# Altium PCB test_stand_2 — копия.PcbDoc (continued)
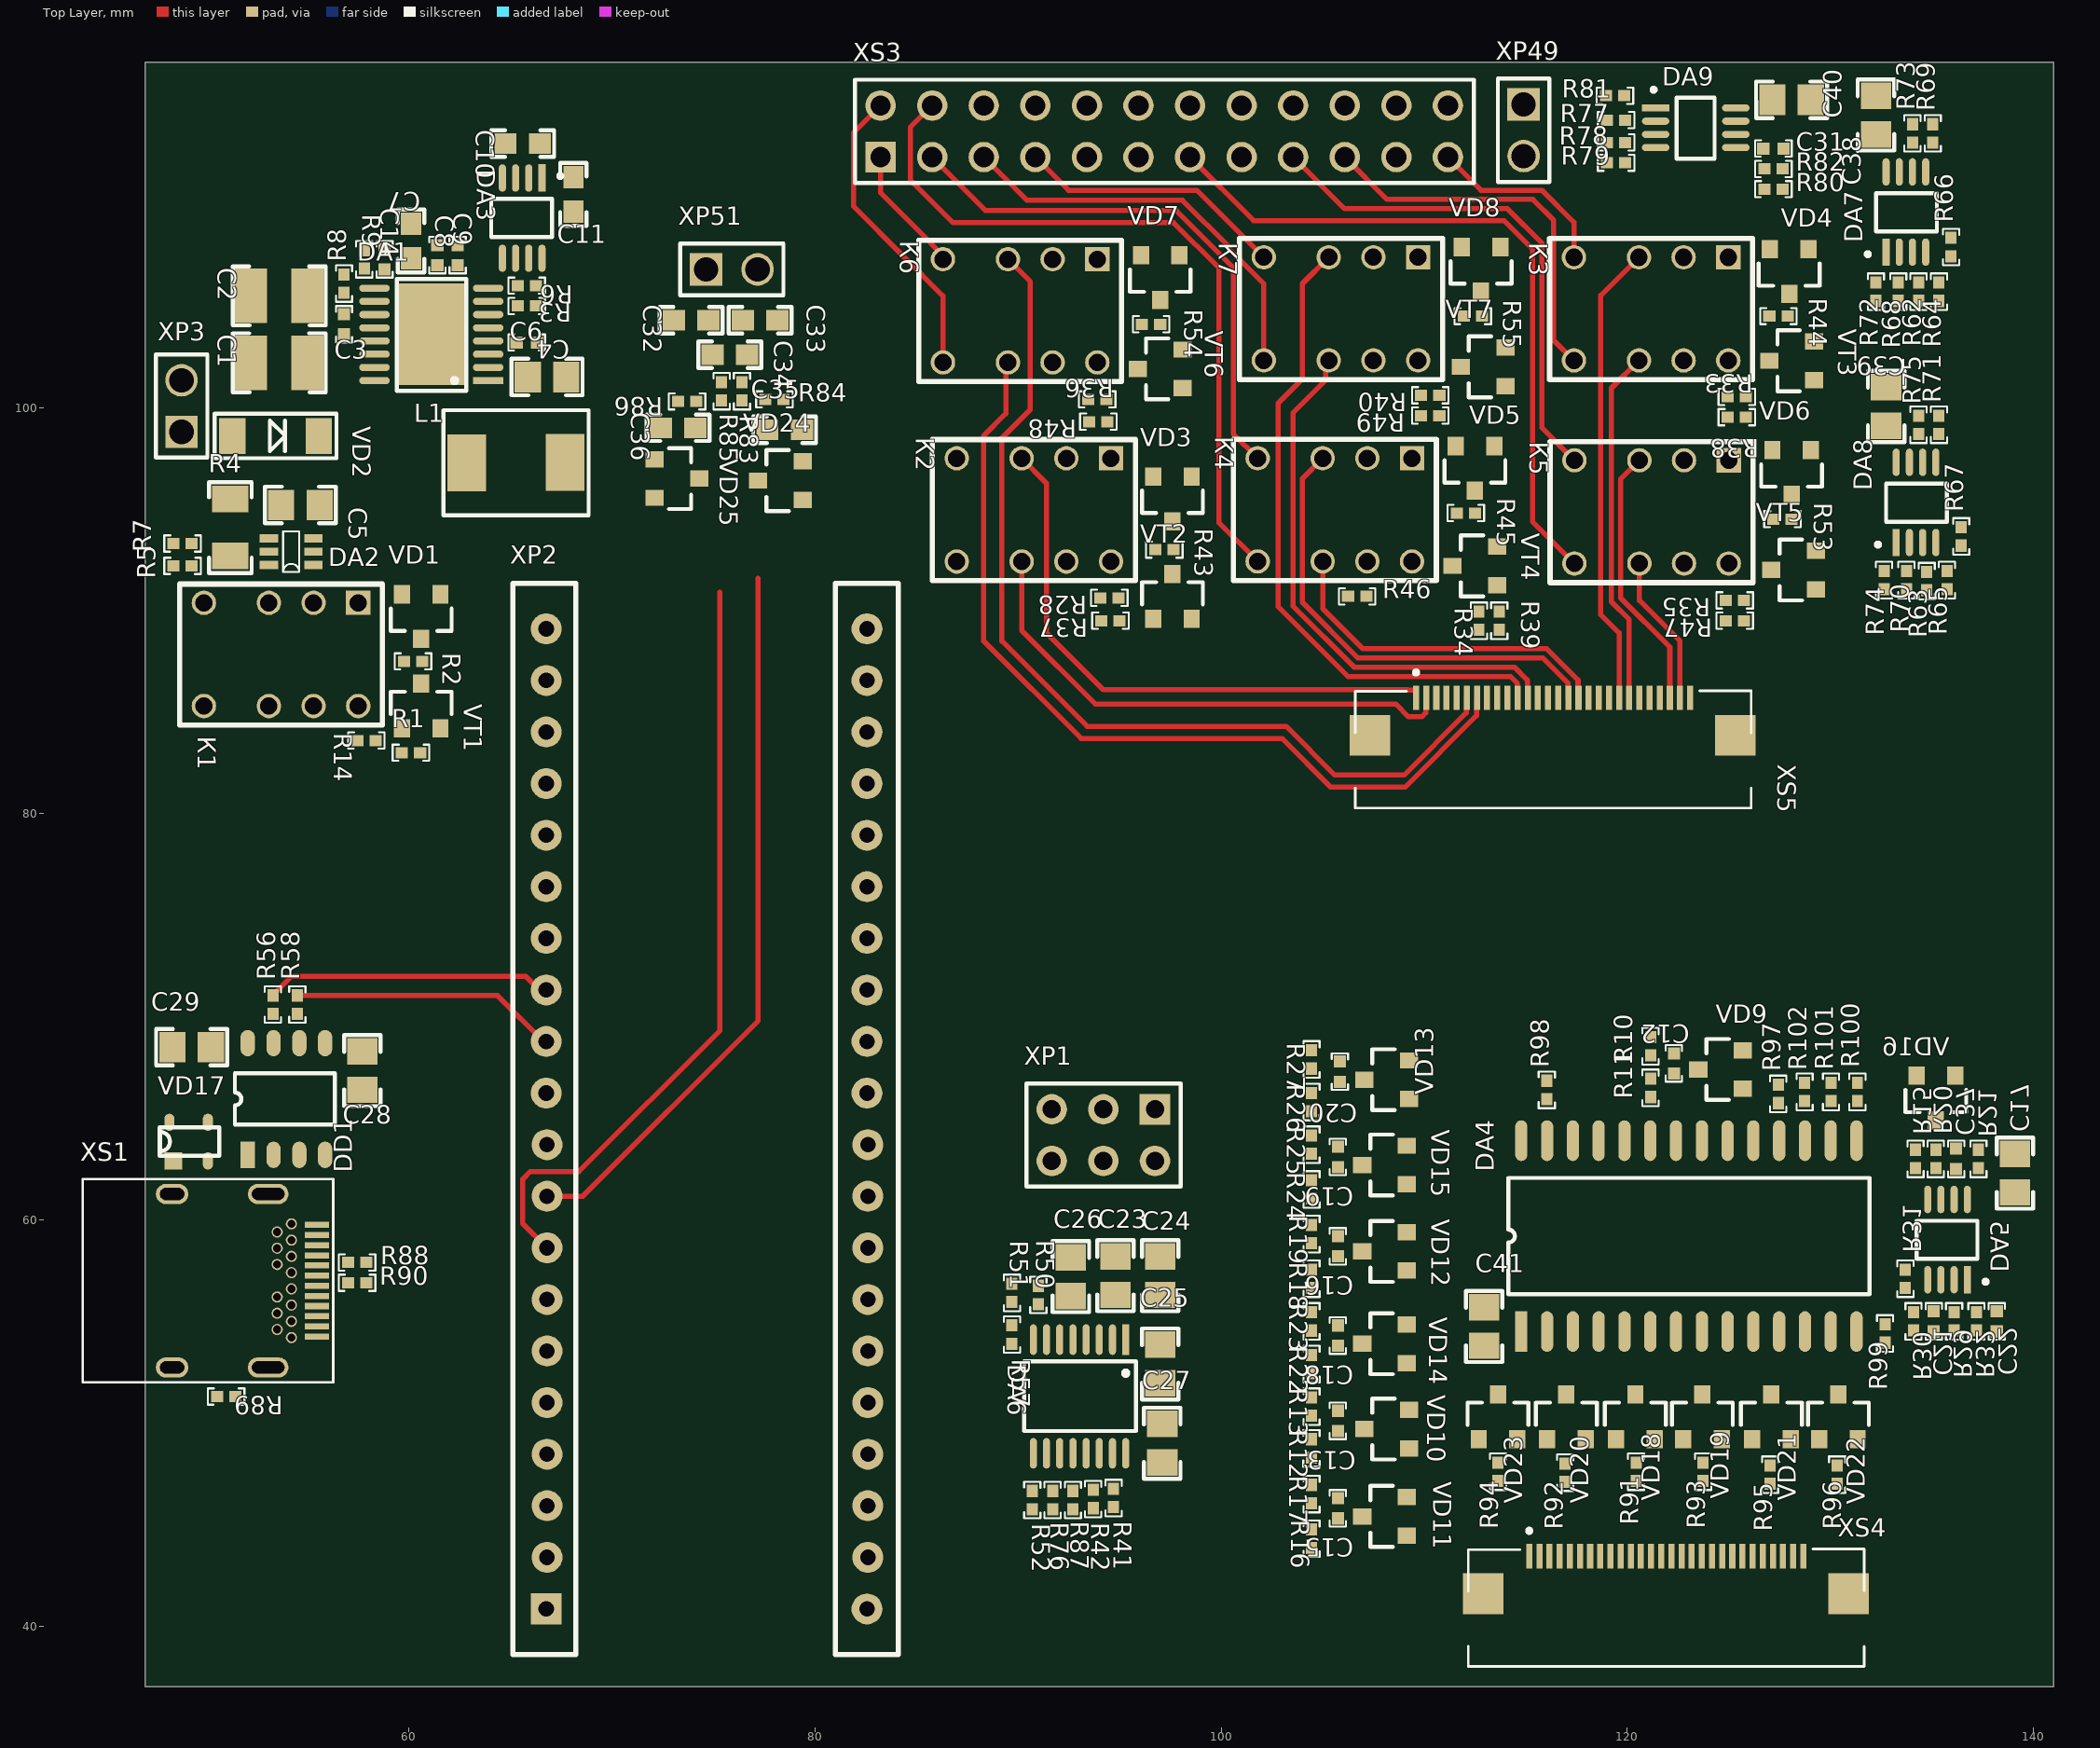
[diagram p0: Top Layer view]
## Components (designator, comment, footprint, x,y, rotation, side; value= is the part's Value field where it differs from the comment) (continued)
VD15 "BAV99" SOT-23-3#1 108.051,62.697 r180 top
VD16 "BAV99" SOT-23-3#2 135.2,66 r270 top
VD17 "PRTR5V0U2X" SOT143B 48.4,62.9 r90 top
VD18 "BAV99" SOT-23-3#1 120.4,50.3 r90 top
VD19 "BAV99" SOT-23-3#1 123.7,50.3 r90 top
VD20 "BAV99" SOT-23-3#1 117,50.3 r90 top
VD21 "BAV99" SOT-23-3#1 127.1,50.3 r90 top
VD22 "BAV99" SOT-23-3#1 130.4,50.3 r90 top
VD23 "BAV99" SOT-23-3#1 113.639,50.298 r90 top
VD24 "BAV99" SOT-23-3#1 78.3,96.4 r180 top
VD25 "BAV99" SOT-23-3#1 73.2,96.5 r0 top
VT1 "BSS138" SOT-23-3#1 60.6,85.3 r90 top
VT2 "BSS138" SOT-23-3#1 97.6,90.7 r90 top
VT3 "BSS138" SOT-23-3#1 128.1,102.3 r180 top
VT4 "BSS138" SOT-23-3#1 112.5,92.2 r180 top
VT5 "BSS138" SOT-23-3#1 128.2,92 r180 top
VT6 "BSS138" SOT-23-3#1 97,101.9 r180 top
VT7 "BSS138" SOT-23-3#1 112.9,102 r180 top
XP1 "PLD-6" PLD-6 96.74,65.44 r180 top
XP2 "STM32F411CEU6 Black Pill" "Black pill STM32F411CEU6" 66.76,40.84 r90 top
XP3 "PLS-2" PLS-2 48.8,100.07 r90 top
XP49 "3R" PLS-2 114.9,113.65 r270 top
XP51 "3R" PLS-2 75.9,106.8 r0 top
XS1 "217B-AG01" 217B-AG01 51.9,57 r90 top
XS3 "PLD-24" PLD-24 97.2,113.6 r0 top
XS4 "52437-2833" MOLEX_52437-2833 121.9,41.9 r0 top
XS5 "52437-2833" MOLEX_52437-2833 116.325,84.162 r0 top
К1 "HFD4/5" DIP-8 57.5,90.38 r270 top
К2 "HFD4/5" DIP-8 94.577,97.496 r270 top
К3 "HFD4/5" DIP-8 124.977,107.396 r270 top
К4 "HFD4/5" DIP-8 109.4,97.5 r270 top
К5 "HFD4/5" DIP-8 125,97.4 r270 top
К6 "HFD4/5" DIP-8 93.9,107.3 r270 top
К7 "HFD4/5" DIP-8 109.7,107.4 r270 top

## Footprints (in the part's own frame and the unit in brackets; to place one, negate y for a bottom-side part, rotate by r counter-clockwise, add the part's x,y. Pads: shape width x height; smd on the part's side, far side on the other; paste and mask are expansions set on the pad)
217B-AG01 [mm]
  rect 0.3x1.2 smd: A1(2.75,-3.565) A2(2.25,-3.565) A3(1.75,-3.565) A4(1.25,-3.565) A5(0.75,-3.565) A6(0.25,-3.565) A7(-0.25,-3.565) A8(-0.75,-3.565) A9(-1.25,-3.565) A10(-1.75,-3.565) A11(-2.25,-3.565) A12(-2.75,-3.565)
  round 0.55 hole 0.4: B1(-2.8,-2.31) B2(-2.4,-1.61) B3(-1.6,-1.61) B4(-1.2,-2.31) B5(-0.8,-1.61) B6(-0.4,-2.31) B7(0.4,-2.31) B8(0.8,-1.61) B9(1.2,-2.31) B10(1.6,-1.61) B11(2.4,-1.61) B12(2.8,-2.31) MID(-2,-2.31) MID1(2,-2.31)
  oval 1x1.6 hole 0.6 slot 1.2 at 90 deg: S1(-4.27,3.565) S4(4.27,3.565)
  oval 1x2 hole 0.6 slot 1.6 at 90 deg: S2(-4.27,-1.165) S3(4.27,-1.165)
  silkscreen extent -5,-4.37 5,7.97, body extent -4.37,-3.84 4.37,7.99, height 3.08
0402C [mm]
  rect 0.6x0.6 smd: 1(-0.5,0) 2(0.5,0)
  silkscreen extent -0.9,-0.4 0.9,0.4, body extent -0.73,-0.25 0.73,0.25, height 0.51
0603C [mm]
  rect 1.1x1 smd: 1(-0.85,0) 2(0.85,0)
  silkscreen extent -1.55,-0.65 1.55,0.65, body extent -1.23,-0.42 1.23,0.38, height 0.8
0805C [mm]
  rect 1.3x1.5 smd: 1(-0.95,0) 2(0.95,0)
  silkscreen extent -1.75,-0.9 1.75,0.9, body extent -1.35,-0.63 1.45,0.62, height 0.8
1210C [mm]
  rect 1.6x2.7 smd: 1(-1.4,0) 2(1.4,0)
  silkscreen extent -2.27,-1.46 2.3,1.46, body extent -2.44,-1.22 2.5,1.28, height 1.61
"Black pill STM32F411CEU6" [mil]
  rect 60x60 hole 30: 1(0,0)
  round 60 hole 30: 2(100,-1.57) 3(200,-1.57) 4(300,-1.57) 5(400,-1.57) 6(500,-1.57) 7(600,-1.57) 8(700,-1.57) 9(800,-1.57) 10(900,-1.57) 11(1000,0) 12(1100,0) 13(1200,0) 14(1300,0) 15(1400,0) 16(1500,0) 17(1600,0) 18(1700,0) 19(1800,0) 20(1900,0) 21(0,-622.05) 22(100,-623.62) 23(200,-623.62) 24(300,-623.62) 25(400,-623.62) 26(500,-623.62) 27(600,-623.62) 28(700,-623.62) 29(800,-623.62) 30(900,-623.62) 31(1000,-622.05) 32(1100,-622.05) 33(1200,-622.05) 34(1300,-622.05) 35(1400,-622.05) 36(1500,-622.05) 37(1600,-622.05) 38(1700,-622.05) 39(1800,-622.05) 40(1900,-622.05)
  silkscreen extent -89,-683 1989,65
DIP-8 [mm]
  rect 1.2x1.2 hole 0.85: 1(0,0)
  round 1.2 hole 0.85: 2(0,-2.2) 3(0,-4.4) 4(0,-7.6) 5(5.08,-7.6) 6(5.08,-4.4) 7(5.08,-2.2) 8(5.08,0)
  silkscreen extent -0.92,-8.8 6.02,1.2, body extent -0.47,-8.83 5.53,1.18, height 5.66
IHLP2020CZ-01 [mm]
  rect 1.905x2.79 smd: 1(0,0) 2(4.851,0.025)
  silkscreen extent -1.16,-2.59 6,2.59, body extent -0.25,-2.57 5.2,2.58, height 1.95
MOLEX_52437-2833 [mm] "Easy-On FFC/FPC Connector, 0.50mm Pitch, Slider Series, Right-Angle, Bottom Contact, 2.00mm Height, 28 Circuits, Tin-Silver-Bismuth Plating"
  rect 0.3x1.2 smd: 1(-6.725,1.538) 2(-6.225,1.538) 3(-5.725,1.538) 4(-5.225,1.538) 5(-4.725,1.538) 6(-4.225,1.538) 7(-3.725,1.538) 8(-3.225,1.538) 9(-2.725,1.538) 10(-2.225,1.538) 11(-1.725,1.538) 12(-1.225,1.538) 13(-0.725,1.538) 14(-0.225,1.538) 15(0.275,1.538) 16(0.775,1.538) 17(1.275,1.538) 18(1.775,1.538) 19(2.275,1.538) 20(2.775,1.538) 21(3.275,1.538) 22(3.775,1.538) 23(4.275,1.538) 24(4.775,1.538) 25(5.275,1.538) 26(5.775,1.538) 27(6.275,1.538) 28(6.775,1.538)
  rect 2x2 smd: S1(-9,-0.312) S2(9,-0.312)
  silkscreen extent -9.72,-3.89 9.78,2.89, body extent -10.3,-3.42 10.3,1.78, height 2
MSOP-8#1 [mm] "8-Lead Mini Small Outline Package [MSOP]"
  rect 0.35x1.35 smd: 1(0,0)
  oval 0.35x1.35 smd: 2(0.65,0) 3(1.3,0) 4(1.95,0) 5(1.95,3.95) 6(1.3,3.95) 7(0.65,3.95) 8(0,3.95)
  silkscreen extent -0.97,-0.17 2.5,2.9, body extent -0.5,-0.45 2.5,4.45, height 0.95
MSOP-8#2 [mm] "8-Lead Mini Small Outline Package [MSOP]"
  rect 0.35x1.35 smd: 1(0,0)
  oval 0.35x1.35 smd: 2(0.65,0) 3(1.3,0) 4(1.95,0) 5(1.95,-3.95) 6(1.3,-3.95) 7(0.65,-3.95) 8(0,-3.95)
  silkscreen extent -0.97,-2.9 2.5,0.17, body extent -0.5,-4.45 2.5,0.45, height 0.95
PLD-6 [mm]
  rect 1.5x1.5 hole 0.9: 1(0,0)
  round 1.5 hole 0.9: 2(0,2.54) 3(2.54,0) 4(2.54,2.54) 5(5.08,0) 6(5.08,2.54)
  silkscreen extent -1.27,-1.27 6.32,3.81, body extent -1.27,-1.27 6.35,3.81, height 9.2
PLD-24 [mm]
  rect 1.5x1.5 hole 1: 1(-13.97,-1.27)
  round 1.5 hole 1: 2(-13.97,1.27) 3(-11.43,-1.27) 4(-11.43,1.27) 5(-8.89,-1.27) 6(-8.89,1.27) 7(-6.35,-1.27) 8(-6.35,1.27) 9(-3.81,-1.27) 10(-3.81,1.27) 11(-1.27,-1.27) 12(-1.27,1.27) 13(1.27,-1.27) 14(1.27,1.27) 15(3.81,-1.27) 16(3.81,1.27) 17(6.35,-1.27) 18(6.35,1.27) 19(8.89,-1.27) 20(8.89,1.27) 21(11.43,-1.27) 22(11.43,1.27) 23(13.97,-1.27) 24(13.97,1.27)
  silkscreen extent -15.24,-2.54 15.24,2.54, body extent -15.24,-2.54 15.24,2.54, height 8.6
PLS-2 [mm]
  rect 1.6x1.6 hole 1.2: 1(-1.27,0)
  round 1.6 hole 1.2: 2(1.27,0)
  silkscreen extent -2.54,-1.27 2.54,1.27, body extent -2.54,-1.27 2.54,1.27, height 8.54
R0402 [mm] "Resistor 0402"
  rect 0.6x0.55 smd: 1(-0.45,0) 2(0.45,0)
  silkscreen extent -0.9,-0.4 0.9,0.4, body extent -0.73,-0.25 0.73,0.25, height 0.51
R1206 [mm]
  rect 1.3x1.8 smd: 1(-1.4,0) 2(1.4,0)
  silkscreen extent -2.22,-1.05 2.25,1.05, body extent -2.27,-0.8 2.27,0.8, height 1.25
SC-70-6 [mm]
  rect 0.4x0.9 smd: 1(-0.65,-1.1) 2(0,-1.1) 3(0.65,-1.1) 4(0.65,1.1) 5(0,1.1) 6(-0.65,1.1)
  silkscreen extent -1,-0.4 1,0.4, body extent -1,-1.05 1,1.05, height 0.92
SMA-FL [mm]
  rect 1.3x1.76 smd: 1(-2.13,0) 2(2.13,0)
  silkscreen extent -3,-1.1 3,1.1, body extent -2.55,-1.3 2.55,1.3, height 1.2
SOIC-28 [mm]
  rect 2x0.6 smd: 1(-4.7,8.255)
  oval 2x0.6 smd: 2(-4.7,6.985) 3(-4.7,5.715) 4(-4.7,4.445) 5(-4.7,3.175) 6(-4.7,1.905) 7(-4.7,0.635) 8(-4.7,-0.635) 9(-4.7,-1.905) 10(-4.7,-3.175) 11(-4.7,-4.445) 12(-4.7,-5.715) 13(-4.7,-6.985) 14(-4.7,-8.255) 15(4.7,-8.255) 16(4.7,-6.985) 17(4.7,-5.715) 18(4.7,-4.445) 19(4.7,-3.175) 20(4.7,-1.905) 21(4.7,-0.635) 22(4.7,0.635) 23(4.7,1.905) 24(4.7,3.175) 25(4.7,4.445) 26(4.7,5.715) 27(4.7,6.985) 28(4.7,8.255)
  silkscreen extent -2.86,-8.89 2.87,8.89, body extent -5.33,-9.07 5.28,9.03, height 2.61
SOP8 [mm]
  rect 1.3x0.7 smd: 1(0,0)
  oval 1.3x0.7 smd: 2(0,-1.27) 3(0,-2.54) 4(0,-3.81) 5(5.5,-3.81) 6(5.5,-2.54) 7(5.5,-1.27) 8(5.5,0)
  silkscreen extent 1.48,-4.29 4.02,0.64, body extent -0.24,-4.27 5.74,0.62, height 1.57
SOT143B [mm]
  rect 0.85x0.88 smd: 1(0,0)
  oval 0.85x0.5 smd: 2(0,-1.7) 3(1.9,-1.7) 4(1.9,0.2)
  silkscreen extent 0.25,-2.25 1.65,0.67, body extent -0.31,-2.25 2.11,0.67, height 1
SOT-23-3#1 [mm]
  rect 0.9x0.8 smd: 1(-1.1,0.95) 2(-1.1,-0.95) 3(1.1,0)
  silkscreen extent -0.4,-1.5 0.7,1.5, body extent -1.4,-1.45 1.4,1.45, height 1.3
SOT-23-3#2 [mm]
  rect 0.9x0.8 smd: 1(-1.1,-0.95) 2(-1.1,0.95) 3(1.1,0)
  silkscreen extent -0.4,-1.5 0.7,1.5, body extent -1.4,-1.45 1.4,1.45, height 1.3
TSSOP-16 [mm] "16-Lead Thin Shrink Small Outline Package [TSSOP]"
  rect 0.35x1.5 smd: 1(-2.275,-2.8)
  oval 0.35x1.5 smd: 2(-1.625,-2.8) 3(-0.975,-2.8) 4(-0.325,-2.8) 5(0.325,-2.8) 6(0.975,-2.8) 7(1.625,-2.8) 8(2.275,-2.8) 9(2.275,2.8) 10(1.625,2.8) 11(0.975,2.8) 12(0.325,2.8) 13(-0.325,2.8) 14(-0.975,2.8) 15(-1.625,2.8) 16(-2.275,2.8)
  silkscreen extent -2.77,-1.73 2.73,1.7, body extent -2.47,-3.37 2.53,3.02, height 1.1
TSSOP-17 [mm] "16+1-Lead Thin Shrink Small Outline Package [TSSOP]"
  rect 0.35x1.5 smd: 1(-2.275,-2.8)
  oval 0.35x1.5 smd: 2(-1.625,-2.8) 3(-0.975,-2.8) 4(-0.325,-2.8) 5(0.325,-2.8) 6(0.975,-2.8) 7(1.625,-2.8) 8(2.275,-2.8) 9(2.275,2.8) 10(1.625,2.8) 11(0.975,2.8) 12(0.325,2.8) 13(-0.325,2.8) 14(-0.975,2.8) 15(-1.625,2.8) 16(-2.275,2.8)
  rect 5x3.4 smd: 17(0,0)
  silkscreen extent -2.77,-1.73 2.73,1.7, body extent -2.48,-3.4 2.53,3, height 1.1

## Part data
C1 C2: library part "C1210-22uF 10% 50V", "C1210-22uF 10% 50V", Part Number="SMD CAP CER 22uF ±10% 50V X7R 1210", Mount=MOUNT, MountType=SMD, Pkg=1210, Solder_Amount=2
C3 C14 C21 C22 C37: library part "C0402-10nF 10% 50V", "C0402-10nF 10% 50V", Part Number="SMD CAP CER 10nF ±10% 50V X5R 0402", Added_by=Rutel@Mail.ru, Created_at=27/03/2020, Mount=MOUNT, MountType=SMD, Pkg=0402, Solder_Amount=2
C4: library part "C0402-10UF 10% 10V", "C0402-10UF 10% 10V", Part Number="SMD CAP CER 10UF ±10% 10V X5R 0402", Added_by=Rutel@Mail.ru, Created_at=27/03/2020, Mount=MOUNT, MountType=SMD, Pkg=0402, Solder_Amount=2
C5 C6 C17 C23 C24 C25 C26 C27 C28 C29 C38 C39 C40 C41: library part "C0805-0.1UF 10% 50V", "C0805 0.1UF 10% 50V", Part Number="SMD CAP CER 0.1UF ±10% 50V X7R 0805", Added_by=anton@teslatec.ru, Created_at=10/01/2023, Mount=MOUNT, MountType=SMD, Pkg=0805, Solder_Amount=2
C7: library part "C1210-100UF 10% 16V", "C1210-100UF 10% 16V", Part Number="SMD CAP CER 100UF ±10% 16V X7R 1210", Mount=MOUNT, MountType=SMD, Pkg=1210, Solder_Amount=2
C8 C9 C12 C13 C15 C16 C18 C19 C20 C31: library part "C0402-100nF 10% 50V", "C0402-100nF 10% 50V", Part Number="SMD CAP CER 100nF ±10% 50V X5R 0402", Added_by=Rutel@Mail.ru, Created_at=27/03/2020, Mount=MOUNT, MountType=SMD, Pkg=0402, Solder_Amount=2
C10 C11 C32 C33 C34 C35 C36: library part "C0603-1uF 10% 50V", "C0603-1uF 10% 50V", Part Number="SMD CAP CER 1uF ±10% 50V X7R 0603", Added_by=grebelny_av@teslatec.ru, Created_at=22/06/2021, Mount=MOUNT, MountType=SMD, Pkg=0603, Solder_Amount=2
DA1: "LM43603PWPR 3.5-V to 36-V, 3-A Synchronous Step-Down Voltage Converter", Added_by=irdolgopolowa@yandex.ru, Created_at=29/10/24, Mount=MOUNT, MountType=SMD, Part Number=LM43603PWPR, Pkg="MSE 16", Solder_Amount=17
DA2: "26V, 14kHz, bi-directional, package SC70-6, -40 to 125", Added_by=ridel_av@teslatec.ru, Created_at=02/02/2022, Mount=MOUNT, MountType=SMD, Part Number=INA210AIDCKT, Pkg=SC70-6, Solder_Amount=6
DA3: "5V 300 mA, Low Dropout, / CMOS Linear Regulator", Added_by=irdolgopolowa@yandex.ru, Created_at=29/10/24, Mount=MOUNT, MountType=SMD, Part Number=ADP3333ARMZ-5, Pkg="8-Lead MSOP", Solder_Amount=8
DA4: "MPC506AU, Ch: 16, SO28", Part Number=MPC506A, Added_by=irdolgopolowa@yandex.ru, Created_at=29/10/2024, Mount=MOUNT, MountType=SMD/SMT, Pkg=SOIC-28, Solder_Amount=28
DA5 DA7 DA8 DA9: "High Performance, 145 MHz FastFET Op Amps", Added_by=irdolgopolowa@yandex.ru, Created_at=29/10/24, Mount=MOUNT, MountType=SMD, Part Number=AD8066ARMZ, Pkg=MSOP-8, Solder_Amount=8
DA6: "Low Power, 3.3 V, RS-232 / Line Drivers/Receivers", Added_by=irdolgopolowa@yandex.ru, Created_at=29/10/24, Mount=MOUNT, MountType=SMD, Part Number=ADM3202ARU, Pkg=TSSOP-16, Solder_Amount=16
DD1: "USB to Serial Port Chip CH340, SOP-8", Added_by=irdolgopolowa@yandex.ru, Created_at=29/10/24, Mount=MOUNT, MountType=SMD, Part Number=CH340N, Pkg=SOIC-8, Solder_Amount=8
L1: "FIXED IND 3.3UH 3.3A 79 MOHM SMD", Added_by=Rutel@teslatec.ru, Created_at=14/05/2020, Mount=MOUNT, MountType=SMD, Part Number=IHLP2020BZER3R3M01, Pkg=IHLP-2020BZ-01, Solder_Amount=2
R1 R37 R38 R39 R47 R48 R49: library part R0402-1K, "Resistor SMD 1K 1% 0402", Part Number="SMD RES 1 KOHM 1% ±100ppm/°C 0402", Added_by=irdolgopolowa@yandex.ru, Created_at=29/10/24, Mount=MOUNT, MountType=SMD, Pkg=0402, Solder_Amount=2
R2 R43 R44 R45 R53 R54 R55: library part R0402-24R, "Resistor SMD 24R 1% 0402", Part Number="SMD RES 24R OHM 1% ±100ppm/°C 0402", Added_by=Rutel@teslatec.ru, Created_at=21/04/2020, Mount=MOUNT, MountType=SMD, Pkg=0402, Solder_Amount=2
R3: library part R0402-18.2K, "Resistor SMD 18.2K 1% 0402", Part Number="SMD RES 18.2 KOHM 1% ±100ppm/°C 0402", Added_by=Rutel@teslatec.ru, Created_at=21/04/2020, Mount=MOUNT, MountType=SMD, Pkg=0402, Solder_Amount=2
R4: library part R1206-0.018R, "Resistor SMD 0.018R 1% 1206", Part Number="TL2BR018F SMD RES 0.018 OHM 1% ±75ppm/°C 1206", Added_by=irdolgopolowa@yandex.ru, Created_at=07/11/2024, Mount=MOUNT, MountType=SMD, Pkg=1206, Solder_Amount=2
R5 R10 R12 R16 R18 R20 R22 R24 R26 R29 R30 R31 R83 R85: library part R0402-100K, "Resistor SMD 100K 1% 0402", Part Number="SMD RES 100 KOHM 1% ±100ppm/°C 0402", Added_by=Rutel@teslatec.ru, Created_at=21/04/2020, Mount=MOUNT, MountType=SMD, Pkg=0402, Solder_Amount=2
R6 R21 R32 R46 R62 R63 R64 R65 R66 R67 R68 R69 R70 R71 R72 R73 R74 R75 R77 R78 R79 R81 R82 R97 R99 R100 R101 R102: library part R0402-10K, "Resistor SMD 10K 1% 0402", Part Number="SMD RES 10 KOHM 1% ±100ppm/°C 0402", Added_by=Rutel@teslatec.ru, Created_at=21/04/2020, Mount=MOUNT, MountType=SMD, Pkg=0402, Solder_Amount=2
R7 R80: library part R0402-20K, "Resistor SMD 20K 1% 0402", Part Number="SMD RES 20 KOHM 1% ±100ppm/°C 0402", Added_by=Rutel@teslatec.ru, Created_at=21/04/2020, Mount=MOUNT, MountType=SMD, Pkg=0402, Solder_Amount=2
R8: library part R0402-8.2K, "Resistor SMD 8.2K 1% 0402", Part Number="SMD RES 8.2 KOHM 1% ±100ppm/°C 0402", Added_by=Rutel@teslatec.ru, Created_at=21/04/2020, Mount=MOUNT, MountType=SMD, Pkg=0402, Solder_Amount=2
R9: library part R0402-40.2K, "Resistor SMD 40.2K 1% 0402", Part Number="SMD RES 40.2K KOHM 1% ±100ppm/°C 0402", Added_by=ridel_av@teslatec.ru, Created_at=15/12/2021, Mount=MOUNT, MountType=SMD, Pkg=0402, Solder_Amount=2
R11 R13 R17 R19 R23 R25 R27 R84 R86: library part R0402-56K, "Resistor SMD 56K 1% 0402", Part Number="SMD RES 56K KOHM 1% ±100ppm/°C 0402", Added_by=ridel_av@teslatec.ru, Created_at=15/12/2021, Mount=MOUNT, MountType=SMD, Pkg=0402, Solder_Amount=2
R14 R15 R28 R33 R34 R35 R36 R40 R91 R92 R93 R94 R95 R96: library part R0402-100R, "Resistor SMD 100R 1% 0402", Part Number="SMD RES 100 OHM 1% ±100ppm/°C 0402", Added_by=irdolgopolowa@yandex.ru, Created_at=29/10/24, Mount=MOUNT, MountType=SMD, Pkg=0402, Solder_Amount=2
R41 R42 R50 R51 R52 R57 R76 R87 R98: library part R0402-0R, "Resistor SMD 0R 1% 0402", Part Number="SMD RES 0R 0402", Added_by=irdolgopolowa@yandex.ru, Created_at=29/10/24, Mount=MOUNT, MountType=SMD, Pkg=0402, Solder_Amount=2
R56 R58: library part R0402-33R, "Resistor SMD 33R 1% 0402", Part Number="SMD RES 33R OHM 1% ±100ppm/°C 0402", Added_by=Rutel@teslatec.ru, Created_at=21/04/2020, Mount=MOUNT, MountType=SMD, Pkg=0402, Solder_Amount=2
R88 R89: library part R0402-5.1K, "Resistor SMD 5.1K 1% 0402", Part Number="SMD RES 5.1 KOHM 1% ±100ppm/°C 0402", Added_by=Rutel@teslatec.ru, Created_at=21/04/2020, Mount=MOUNT, MountType=SMD, Pkg=0402, Solder_Amount=2
R90: library part R0402-1.5K, "Resistor SMD 1.5K 1% 0402", Part Number="SMD RES 1.5 KOHM 1% ±100ppm/°C 0402", Added_by=Rutel@teslatec.ru, Created_at=21/04/2020, Mount=MOUNT, MountType=SMD, Pkg=0402, Solder_Amount=2
VD1 VD3 VD4 VD5 VD6 VD7 VD8 VD9 VD10 VD11 VD12 VD13 VD14 VD15 VD16 VD18 VD19 VD20 VD21 VD22 VD23 VD24 VD25: "BAV99, UMW, 70В, 200мА", Added_by=andrew@teslatec.ru, Created_at=29/06/2020, Mount=MOUNT, MountType=SMD, Part Number=BAV99, Pkg=SOT-23-3, Solder_Amount=3
VD2: "1.5 A, 40 V Schottky Rectifier", Added_by=irdolgopolowa@yandex.ru, Created_at=29.10.24, Mount=MOUNT, MountType=SMD, Part Number=MBRAF1540T3G, Pkg=SMA-FL, Solder_Amount=2
VD17: "PRTR5V0U2X, ESD(Rail-to-Rail), 1pF,  5V", Added_by=irdolgopolowa@yandex.ru, Created_at=29/10/24, Mount=MOUNT, MountType=SMD, Part Number=PRTR5V0U2X, Pkg=SOT-143, Solder_Amount=4
VT1 VT2 VT3 VT4 VT5 VT6 VT7: "N-Channel Logic Level Enhancement Mode Field Effect Transistor", Added_by=ma_lubushkin@teslatec.ru, Created_at=03/12/2019, Mount=MOUNT, MountType=SMD, Part Number=BSS138, Pkg=SOT-23, Solder_Amount=3
XP1: "Pin Header Pitch 2.54mm", Part Number="PLD-6 (DS1021-2x3)", Added_by=ponomarev_ke@teslatec.ru, Created_at=21/05/2019, Mount=MOUNT, MountType=THM, Pkg="PLD-6 2.54mm", Solder_Amount=6
XP2: library part "STM32F411CEU6 Black pil", "STM32F411CEU6 Black pil", Added_by=irdolgopolowa@yandex.ru, Created_at=29/10/24, Mating Part=2*DS1021-1*20SF11-B, Mount=MOUNT, MountType=THM, Part Number="STM32F411CEU6 Black Pill", Pkg="Black pil", Solder_Amount=20
XP3: "HEADER 2.54mm", Added_by=irdolgopolowa@yandex.ru, Created_at=29/10/24, Mount=MOUNT, MountType=THM, Part Number=PLS-2, Pkg=PLS-2, Solder_Amount=2
XP49: library part PLS-2_Laser, "KNP300JB-52-3R", Part Number=PLS-2, Added_by=irdolgopolowa@yandex.ru, Created_at=29/10/24, Mating Part=KNP300JB-52-3R, Mount=MOUNT, MountType=THM, Pkg=PLS-2, Solder_Amount=2
XP51: library part PLS-2_peltie, "SQP10AJB-3R", Part Number=PLS-2, Added_by=irdolgopolowa@yandex.ru, Created_at=29/10/24, Mating Part=SQP10AJB-3R, Mount=MOUNT, MountType=THM, Pkg=PLS-2, Solder_Amount=2
XS1: "USB Type-C, Right Angle Hybrid Type, 30u\"", Added_by=ridel_av@teslatec.ru, Created_at=13/12/2021, Mount=MOUNT, MountType=SMD, Part Number=217B-AG01, Pkg=217B-AG01, Solder_Amount=28
XS3: "Pin Header Pitch 2.54mm", Added_by=andrew@teslatec.ru, Cable/Wire=-, Created_at=1/09/2020, Mating Part=-, Mating Terminals=-, Mount=MOUNT, MountType=THM, Part Number=PLD-24, Pkg="PLD-24 2.54mm", Solder_Amount=24
XS4 XS5: "28 Position FFC, FPC Connector Contacts, Bottom 0.020 _0.50mm_ Surface Mount, Right Angle", Part Number="52437-2833 (MOLEX)", Added_by=ridel_av@teslatec.ru, Mating Part="FFCA 28pin, 0.5mm pitch, AVM 20624 80C 60V VW-1", Mount=MOUNT, MountType=SMD, Pkg=52437-2833, Solder_Amount=30
К1 К2 К3 К4 К5 К6 К7: "HFD4/5 (IM03TS) (1-1462037-8), 5VDC, 2A/250VAC DPDT", Part Number=HFD4/5SR, Added_by=irdolgopolowa@yandex.ru, Created_at=30/10/24, Mount=MOUNT, MountType=THM, Pkg=DIP-8, Solder_Amount=8

## Nets (pads, with @x,y where several pads share a name; then routed paths per layer and width w, separated by ;. In a path a pad name is that pad's centre, name@x,y a point inside that pad or via, vN(x,y) a via of type N, cw(c..) or ccw(c..) an arc to the next point about the centre after c; other vN are vias at no path point)
5V_Laser: R12.1 XS4.2
+1.2V: R95.1 XS4.13
+1.8V: R93.1 XS4.12
+1.8VA: R96.1 XS4.14
+2.5V: R92.1 XS4.10
+2.5V_OFFSET: R91.1 XS4.11
+2.048V: R94.1 XS4.9
+3.3V: C25.2 C27.2 C28.2 DA6.16 DD1.5 R90.2 VD9.2 VD10.2 VD11.2 VD12.2 VD13.2 VD14.2 VD15.2 VD17.4 VD18.2 VD19.2 VD20.2 VD21.2 VD22.2 VD23.2 VD24.2 VD25.2 XP2.3 XP2.20 XP2.40
+4.5V: R18.1 XS4.4
+5.5V: R16.1 XS4.1
+5.5VAA: R24.1 XS4.5
+5V: C5.2 C11.2 C17.1 C38.1 C39.1 C40.1 C41.1 DA2.3 DA3.1 DA4.1 DA5.8 DA7.8 DA8.8 DA9.8 R31.2 R80.1 VD16.2 XP2.1 XP2.38
+6V: C7.2 C8.2 C9.2 C10.2 C14.2 DA1.5 DA3.2 L1.2 R6.2 R9.2 VD1.2 VD3.2 VD4.2 VD5.2 VD6.2 VD7.2 VD8.2 XS3.18 XS3.24 К1.1 К2.1 К3.1 К4.1 К5.1 К6.1 К7.1
+6V_ACM: R10.1 XP1.1
-5.5V: R29.1 XS4.15
-6V: R15.1 XP1.3 XS3.14 XS3.20
A_ADC+: DA8.1 R74.2 К3.7
A_ADC-: DA8.7 R75.2 К3.2
A_CPoint0: DA4.17 R102.2 XP2.33
A_CPoint1: DA4.16 R101.2 XP2.34
A_CPoint2: DA4.15 R100.2 XP2.35
A_CPoint3: DA4.14 R99.2 XP2.36
ADC+: DA7.1 R72.2 К5.7
ADC-: DA7.7 R73.2 К5.2
ADC_ACM_IN: XS5.22 К3.6 | length 17.5
  Top Layer w0.254: XS5.22 120.1,89.558 119.219,90.439 119.219,100.957 К3.6
ADC_ACM_OUT: XS5.21 К3.3 | length 22.8
  Top Layer w0.254: XS5.21 119.6,88.9 118.7,89.8 118.7,105.518 К3.3
ADC_Ipower: DA2.6 XP2.10
ADC_Laser: DA9.1 R81.2 XP2.15
ADC_MUX: DA4.28 XP2.14
ADC_Pletie_IN: C36.2 R85.1 R86.1 VD25.3 XP2.8 | length 38.2
  Top Layer w0.254: XP2.8 65.6,59.82 65.6,62 65.976,62.376 68.376,62.376 75.3,69.3 75.3,90.9
ADC_Pletie_OUT: C35.2 R83.1 R84.1 VD24.3 XP2.9 | length 35.8
  Top Layer w0.254: XP2.9 68.56,61.16 77.2,69.8 77.2,91.6
ADC_REP_IN: XS5.27 К5.6 | length 7.4
  Top Layer w0.254: К5.6 120.6,90.5 122.6,88.5 XS5.27
ADC_REP_OUT: XS5.26 К5.3 | length 13.1
  Top Layer w0.254: К5.3 119.673,96.473 119.673,90.627 122.1,88.2 XS5.26
ADC_Upower: R5.2 R7.1 XP2.11
ChannelA+: XS3.19 К3.5 | length 18.9
  Top Layer w0.254: XS3.19 108.174,110.246 115.354,110.246 116.374,109.226 116.374,103.319 К3.5
ChannelA-: XS3.23 К3.4 | length 9.3
  Top Layer w0.254: XS3.23 112.8,110.7 115.8,110.7 117.377,109.123 К3.4
ChannelB+: XS3.13 К5.5 | length 35.1
  Top Layer w0.254: XS3.13 101.6,109.2 113.938,109.2 115.338,107.8 115.338,94.382 К5.5
ChannelB-: XS3.17 К5.4 | length 25.4
  Top Layer w0.254: XS3.17 106.088,109.792 114.1,109.792 115.792,108.1 115.792,99.008 К5.4
D_N: DD1.2 VD17.3 XS1.A7 XS1.B7
D_P: DD1.1 R90.1 VD17.2 XS1.A6 XS1.B6
En_MUX: DA4.18 R97.1 XP2.32
GNDpower_ACM: C1.1 C2.1 C3.1 C4.1 C5.1 C7.1 C8.1 C9.1 C10.1 C11.1 C12.1 C13.1 C15.1 C16.1 C17.2 C18.1 C19.1 C20.1 C21.1 C22.1 C26.1 C27.1 C28.1 C29.1 C31.1 C32.2 C33.2 C35.1 C36.1 C37.1 C38.2 C39.2 C40.2 C41.2 DA1.6 DA1.10 DA1.15 DA1.16 DA1.17 DA2.1 DA2.2 DA3.3 DA4.12 DA5.4 DA6.15 DA7.4 DA8.4 DA9.4 DD1.3 R1.1 R3.1 R7.2 R8.1 R11.2 R13.2 R17.2 R19.2 R23.2 R25.2 R27.2 R30.1 R37.1 R38.1 R39.1 R47.1 R48.1 R49.1 R82.1 R84.2 R86.2 R88.1 R89.2 R97.2 R98.1 R99.1 R100.1 R101.1 R102.1 VD1.1 VD3.1 VD4.1 VD5.1 VD6.1 VD7.1 VD8.1 VD9.1 VD10.1 VD11.1 VD12.1 VD13.1 VD14.1 VD15.1 VD17.1 VD18.1 VD19.1 VD20.1 VD21.1 VD22.1 VD23.1 VD24.1 VD25.1 VT1.2 VT2.2 VT3.2 VT4.2 VT5.2 VT6.2 VT7.2 XP1.2 XP1.4 XP1.6 XP2.2 XP2.39 XP3.2 XS1.A1 XS1.A12 XS1.B1 XS1.B12 XS1.S1 XS1.S2 XS1.S3 XS1.S4 XS3.9 XS3.10 XS3.15 XS3.16 XS3.21 XS3.22 XS4.S1 XS4.S2 XS5.S1 XS5.S2
GPS_RX: R42.1 XS4.23
GPS_TX: R41.1 XS4.24
Ipower_ACM: XP1.5 К1.3
Laser+: XS3.5 К7.5 | length 20.2
  Top Layer w0.254: XS3.5 90.44,110.2 98.1,110.2 100.41,107.89 100.41,107.779 102.1,106.089 К7.5
Laser-: XS3.7 К7.4 | length 13.3
  Top Layer w0.254: XS3.7 92.48,110.7 98.8,110.7 К7.4
Laser_ACM_IN: XS5.12 К7.6 | length 26.8
  Top Layer w0.254: К7.6 105.139,102.159 105.139,101.339 103.546,99.746 103.546,90.212 106.55,87.208 114.446,87.208 115.077,86.577 115.077,85.723 XS5.12
Laser_ACM_OUT: XS5.11 К7.3 | length 32.3
  Top Layer w0.254: К7.3 104,106.1 104,101.4 102.8,100.2 102.8,90.2 106.246,86.754 114.258,86.754 114.577,86.435 114.577,85.723 XS5.11
Laser_IN: R62.1 R63.1 R69.1 R71.1 R77.1 XP49.1 К7.7
Laser_OUT: R78.1 XP49.2 К7.2
Meas_+3.3V: C20.2 DA4.25 R26.2 R27.1 VD13.3
Meas_+4.5V: C16.2 DA4.23 R18.2 R19.1 VD12.3
Meas_+5.5V: C15.2 DA4.20 R16.2 R17.1 VD11.3
Meas_+5.5VAA: C19.2 DA4.24 R24.2 R25.1 VD15.3
Meas_+5V: C13.2 DA4.21 R12.2 R13.1 VD10.3
Meas_+5V_Power: C18.2 DA4.22 R22.2 R23.1 VD14.3
Meas_+6V: C12.2 DA4.19 R10.2 R11.1 VD9.3
Meas_-5.5V: C22.2 DA4.11 DA5.1 R32.2
Meas_-6V: C37.2 DA4.10 DA5.7 R21.2
NetC3_2: C3.2 DA1.11
NetC4_2: C4.2 DA1.4
NetC6_1: C6.1 DA1.3
NetC6_2: C6.2 DA1.1 DA1.2 L1.1
NetC14_1: C14.1 DA1.9 R8.2 R9.1
NetC21_2: C21.2 DA5.3 DA5.5 R30.2 R31.1
NetC23_1: C23.1 DA6.5
NetC23_2: C23.2 DA6.4
NetC24_1: C24.1 DA6.3
NetC24_2: C24.2 DA6.1
NetC25_1: C25.1 DA6.2
NetC26_2: C26.2 DA6.6
NetC29_2: C29.2 DD1.8
NetC31_2: C31.2 DA9.5 R80.2 R82.2
NetDA1_7: DA1.7 R3.2
NetDA1_8: DA1.8 DA3.7 R6.1
NetDA2_5: DA2.5 R4.2 R5.1 К1.4
NetDA4_4: DA4.4 R94.2 VD23.3
NetDA4_5: DA4.5 R92.2 VD20.3
NetDA4_6: DA4.6 R91.2 VD18.3
NetDA4_7: DA4.7 R93.2 VD19.3
NetDA4_8: DA4.8 R95.2 VD21.3
NetDA4_9: DA4.9 R96.2 VD22.3
NetDA4_27: DA4.27 R98.2
NetDA5_2: DA5.2 R29.2 R32.1
NetDA5_6: DA5.6 R20.2 R21.1
NetDA6_7: DA6.7 R50.2
NetDA6_8: DA6.8 R51.2
NetDA6_9: DA6.9 R57.1
NetDA6_10: DA6.10 R52.1
NetDA6_11: DA6.11 R76.1
NetDA6_12: DA6.12 R87.1
NetDA6_13: DA6.13 R42.2
NetDA6_14: DA6.14 R41.2
NetDA7_2: DA7.2 R68.1 R72.1
NetDA7_3: DA7.3 R62.2 R64.1
NetDA7_5: DA7.5 R66.1
NetDA7_6: DA7.6 R69.2 R73.1
NetDA8_2: DA8.2 R70.1 R74.1
NetDA8_3: DA8.3 R63.2 R65.1
NetDA8_5: DA8.5 R67.1
NetDA8_6: DA8.6 R71.2 R75.1
NetDA9_2: DA9.2 R77.2 R81.1
NetDA9_3: DA9.3 R78.2 R79.1
NetDD1_6: DD1.6 R58.1
NetDD1_7: DD1.7 R56.1
NetR1_2: R1.2 R14.1 VT1.1
NetR2_1: R2.1 VT1.3
NetR2_2: R2.2 VD1.3 К1.8
NetR15_2: R15.2 R20.1 VD16.3
NetR28_1: R28.1 R37.2 VT2.1
NetR33_1: R33.1 R38.2 VT3.1
NetR34_1: R34.1 R39.2 VT4.1
NetR35_1: R35.1 R47.2 VT5.1
NetR36_1: R36.1 R48.2 VT6.1
NetR40_1: R40.1 R49.2 VT7.1
NetR43_1: R43.1 VT2.3
NetR43_2: R43.2 VD3.3 К2.8
NetR44_1: R44.1 VT3.3
NetR44_2: R44.2 VD4.3 К3.8
NetR45_1: R45.1 VT4.3
NetR45_2: R45.2 VD5.3 К4.8
NetR46_1: R46.1 К4.7
NetR46_2: R46.2 К4.2
NetR53_1: R53.1 VT5.3
NetR53_2: R53.2 VD6.3 К5.8
NetR54_1: R54.1 VT6.3
NetR54_2: R54.2 VD7.3 К6.8
NetR55_1: R55.1 VT7.3
NetR55_2: R55.2 VD8.3 К7.8
NetR88_2: R88.2 XS1.A5
NetR89_1: R89.1 XS1.B5
NetVD2_1: VD2.1 XP3.1
NetXS1_A4: XS1.A4 XS1.A9 XS1.B4 XS1.B9
Peltie+: XS3.2 К6.5 | length 15
  Top Layer w0.254: XS3.2 81.9,113.54 81.9,109.9 84.325,107.475 86.3,105.5 К6.5
Peltie-: XS3.1 К6.4 | length 6.3
  Top Layer w0.254: XS3.1 83.23,110.57 85.7,108.1 85.7,108.087 86.3,107.487 К6.4
Peltie_ACM_IN: XS5.7 К6.6 | length 43.6
  Top Layer w0.254: К6.6@89.4,102 89.4,99.7 88.3,98.6 88.3,88.5 93.1,83.7 103,83.7 105.4,81.3 109.054,81.3 112.577,84.823 112.577,85.677 XS5.7
Peltie_ACM_OUT: XS5.6 К6.3 | length 47.5
  Top Layer w0.254: К6.3 90.6,106.2 90.6,99.9 89.2,98.5 89.2,88.5 93.4,84.3 103.2,84.3 105.6,81.9 109.012,81.9 112.077,84.965 112.077,85.677 XS5.6
Peltie_IN: C32.1 C34.2 R85.2 XP51.1 К6.7
Peltie_OUT: C33.1 C34.1 R83.2 XP51.2 К6.2
Power: C1.2 C2.2 DA1.12 DA1.13 DA1.14 DA2.4 R4.1 VD2.2
R1_IN: XS5.2 К2.6 | length 25.9
  Top Layer w0.254: К2.6 90.177,89.023 93.8,85.4 108.6,85.4 109.227,84.773 109.885,84.773 110.077,84.965 110.077,85.677 XS5.2
R1_OUT: R26.1 XS4.6 К2.5
R22_IN: XS5.1 К2.3 | length 28.8
  Top Layer w0.254: К2.3 91.4,96.273 91.4,88.9 94.2,86.1 109.2,86.1 109.218,86.082 109.577,86.082 109.6,86.059 XS5.1
R22_OUT: R22.1 XS4.3 К2.4
RL1_Control: R14.2 XP2.18
RL2_Control: R28.2 XP2.37
RL3+_Control: R33.2 R34.2 R35.2 R36.2 R40.2 XP2.19
RS232_RX: R51.1 XS4.21
RS232_TX: R50.1 XS4.22
Termistor+: XS3.4 К4.5 | length 36.3
  Top Layer w0.254: XS3.4 84.693,113.793 84.693,111.207 86.8,109.1 97.662,109.1 99.9,106.862 99.9,94.32 К4.5
Termistor-: XS3.3 К4.4 | length 27
  Top Layer w0.254: XS3.3 88.4,109.7 97.8,109.7 100.6,106.9 100.6,98.7 К4.4
TR_ACM_IN: XS5.17 К4.6 | length 17.2
  Top Layer w0.254: К4.6 105,90.1 106.984,88.116 116.038,88.116 117.577,86.577 117.577,85.723 XS5.17
TR_ACM_OUT: XS5.16 К4.3 | length 23
  Top Layer w0.254: К4.3 104,96.5 104,90.4 106.738,87.662 115.85,87.662 117.077,86.435 117.077,85.723 XS5.16
UART_GPS_RX: R76.2 XP2.29
UART_GPS_TX: R87.2 XP2.28
UART_RX: R52.2 XP2.27
UART_TX: R57.2 XP2.26
USB_RX: R58.2 XP2.12 | length 13.2
  Top Layer w0.254: R58.2 64.35,71.05 66.62,68.78 XP2.12
USB_TX: R56.2 XP2.13 | length 14.1
  Top Layer w0.254: R56.2 53.3,71.075 54.225,72 65.736,72 66.416,71.32 XP2.13
Vref: DA9.6 DA9.7 R64.2 R65.2 R66.2 R67.2 R68.2 R70.2 R79.2
pads on no net: DA3.4 DA3.5 DA3.6 DA3.8 DA4.2 DA4.3 DA4.13 DA4.26 DD1.4 VD16.1 XP2.4 XP2.5 XP2.6 XP2.7 XP2.16 XP2.17 XP2.21 XP2.22 XP2.23 XP2.24 XP2.25 XP2.30 XP2.31 XS1.A2 XS1.A3 XS1.A8 XS1.A10 XS1.A11 XS1.B2 XS1.B3 XS1.B8 XS1.B10 XS1.B11 XS1.MID XS1.MID1 XS3.6 XS3.8 XS3.11 XS3.12 XS4.7 XS4.8 XS4.16 XS4.17 XS4.18 XS4.19 XS4.20 XS4.25 XS4.26 XS4.27 XS4.28 XS5.3 XS5.4 XS5.5 XS5.8 XS5.9 XS5.10 XS5.13 XS5.14 XS5.15 XS5.18 XS5.19 XS5.20 XS5.23 XS5.24 XS5.25 XS5.28 К1.2 К1.5 К1.6 К1.7 К2.2 К2.7

## Silkscreen, mask and mechanical layers (free items; w line width, h text height)
Mechanical 1:
  the board outline again, w0.2

## Dimensions
141,37 to 141,117 on Mechanical 1